# Altium PCB apt_battery_bms.PcbDoc (part 2 of 3)
Units mm, origin at the board's own origin, x right, y up, seen from the top; angles counter-clockwise.
Board outline 304.8 x 243.84 mm, 2 copper layers (Top Layer, Bottom Layer), stack 1.57 mm thick; 324 components, 194 nets, 1522 pads, 4 vias.
Unrouted connection lines stored in the file: 482.
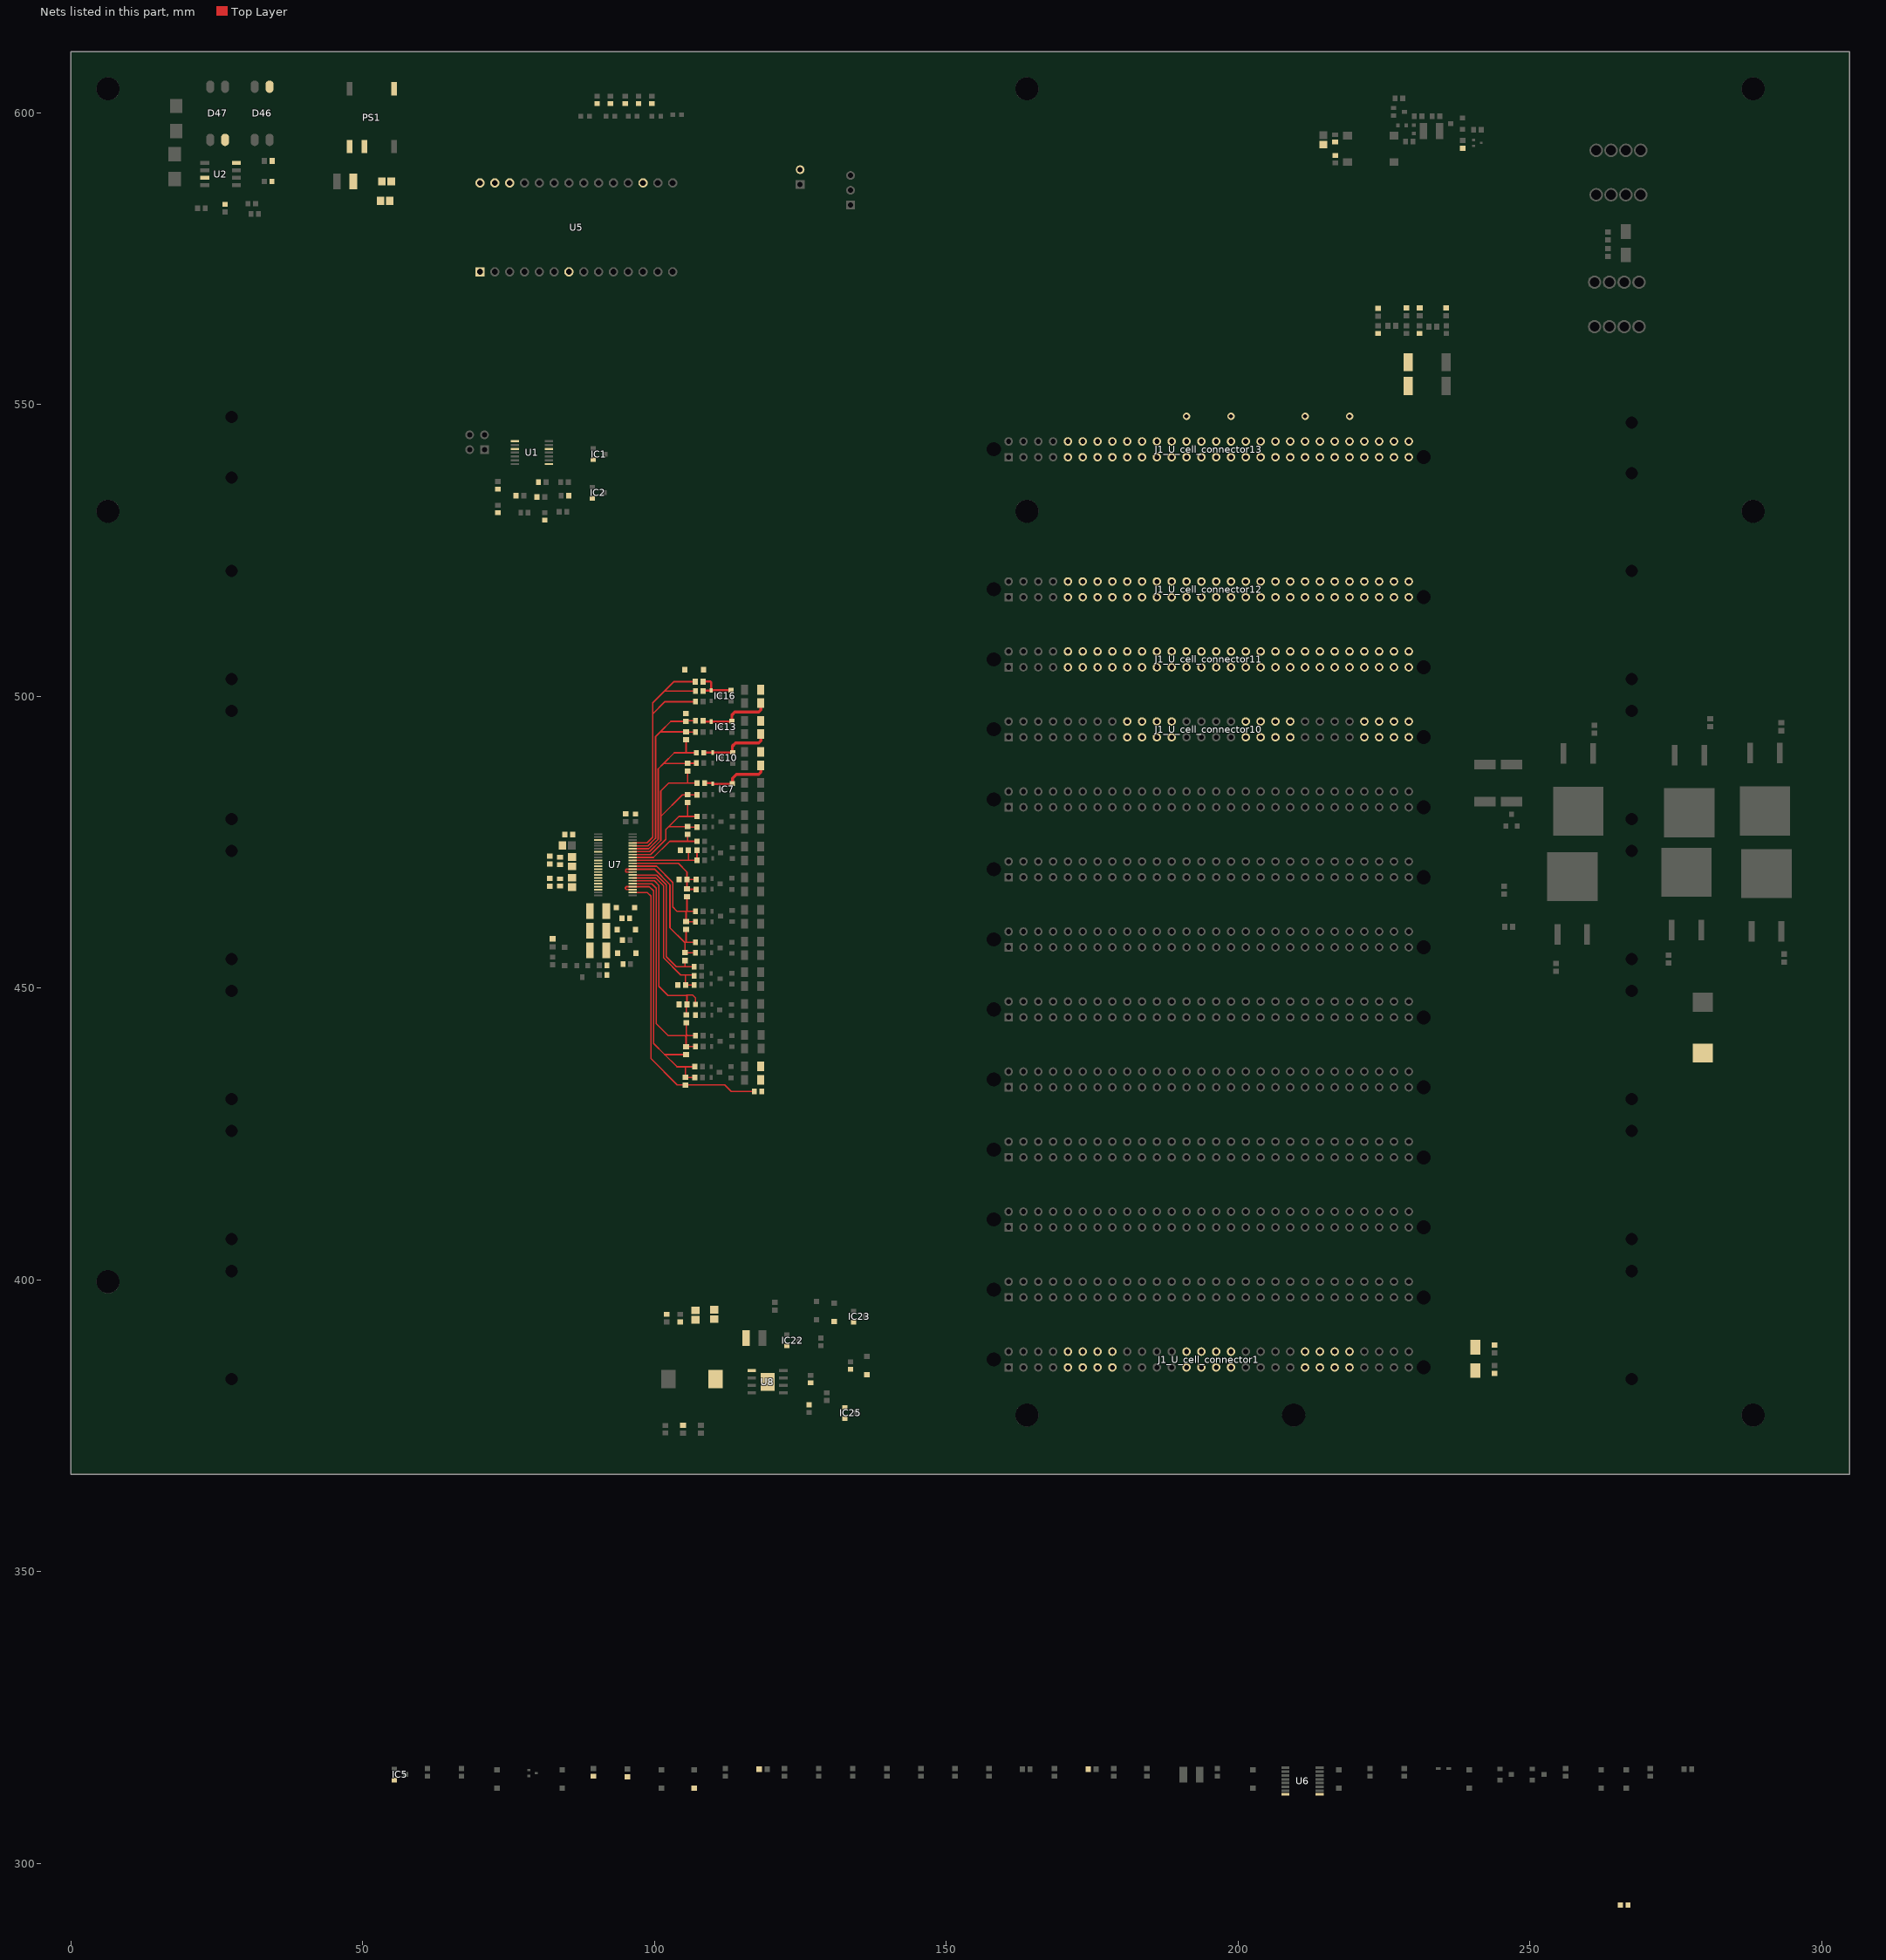
[diagram p2: the nets of this part, all layers, seen from the top]

## Part data (continued)
C10 C19: library part CC0603KRX7R9BB221, "CAP CER 220PF 50V X7R 0603", Device Package="0603 (1608 Metric)", Manufacturer=Yageo, Operating Temperature="-55°C ~ 125°C", Supplier Part Number 1=311-1077-1-ND, Temperature Coefficient=X7R, Tolerance=±10%, Voltage - Rated=50V, Applications="General Purpose", Capacitance=220pF, ComponentLink1Description=Datasheet, ComponentLink1URL=https://www.yageo.com/upload/media/product/productsearch/datasheet/mlcc/UPY-GPHC_X7R_6.3V-to-50V_18.pdf, ComponentLink2Description="DigiKey Link", ComponentLink2URL=http://digikey.com/product-detail/en/yageo/CC0603KRX7R9BB221/311-1077-1-ND/302987, LastUpdated="9/2/2020 1:03:05 AM", Lifecycle Status=Active, Minimum Order=1, Mounting Type="Surface Mount, MLCC", Package / Case="0603 (1608 Metric)", Packaging=TapeAndReel, PartId=16734, Part Number=CC0603KRX7R9BB221, Part Status=Active, Price=0.01, Series=CC, Size / Dimension="0.063\" L x 0.031\" W (1.60mm x 0.80mm)", Supplier 1=DigiKey, Thickness (Max)="0.035\" (0.90mm)"
C11 C13 C40: library part VJ0805Y472KXAAC, "CAP CER 4700PF 50V X7R 0805", Device Package="0805 (2012 Metric)", Manufacturer="Vishay Vitramon", Operating Temperature="-55°C ~ 125°C", Supplier Part Number 1=720-1393-1-ND, Temperature Coefficient=X7R, Tolerance=±10%, Voltage - Rated=50V, Applications="General Purpose", Capacitance=4700pF, ComponentLink1Description=Datasheet, ComponentLink1URL=http://www.vishay.com/docs/45199/vjcommercialseries.pdf, ComponentLink2Description="DigiKey Link", ComponentLink2URL=http://digikey.com/product-detail/en/vishay-vitramon/VJ0805Y472KXAAC/720-1393-1-ND/3986147, LastUpdated="9/2/2020 1:04:35 AM", Lifecycle Status=Active, Minimum Order=1, Mounting Type="Surface Mount, MLCC", Package / Case="0805 (2012 Metric)", Packaging=TapeAndReel, PartId=6525, Part Number=VJ0805Y472KXAAC, Part Status=Active, Price=0.06, Series=VJ, Size / Dimension="0.079\" L x 0.049\" W (2.00mm x 1.25mm)", Supplier 1=DigiKey, Thickness (Max)="0.057\" (1.45mm)"
C43: library part C1608C0G1H222J080AA, "CAP CER 2200PF 50V C0G 0603", Device Package="0603 (1608 Metric)", Manufacturer="TDK Corporation", Operating Temperature="-55°C ~ 125°C", Supplier Part Number 1=445-1297-1-ND, Temperature Coefficient="C0G, NP0", Tolerance=±5%, Voltage - Rated=50V, Applications="General Purpose", Capacitance=2200pF, ComponentLink1Description=Datasheet, ComponentLink1URL=https://product.tdk.com/info/en/catalog/datasheets/mlcc_commercial_general_en.pdf?ref_disty=digikey, ComponentLink2Description="DigiKey Link", ComponentLink2URL=http://digikey.com/product-detail/en/tdk-corporation/C1608C0G1H222J080AA/445-1297-1-ND/567684, Features="Low ESL", LastUpdated="9/2/2020 1:03:24 AM", Lifecycle Status=Active, Minimum Order=1, Mounting Type="Surface Mount, MLCC", Package / Case="0603 (1608 Metric)", Packaging=TapeAndReel, PartId=8679, Part Number=C1608C0G1H222J080AA, Part Status=Active, Price=0.03, Series=C, Size / Dimension="0.063\" L x 0.031\" W (1.60mm x 0.80mm)", Supplier 1=DigiKey, Thickness (Max)="0.035\" (0.90mm)"
C44: library part C3225X7S2A475K200AB, "CAP CER 4.7UF 100V X7S 1210", Device Package="1210 (3225 Metric)", Manufacturer="TDK Corporation", Operating Temperature="-55°C ~ 125°C", Supplier Part Number 1=445-6042-1-ND, Temperature Coefficient=X7S, Tolerance=±10%, Voltage - Rated=100V, Applications="General Purpose", Capacitance=4.7µF, ComponentLink1Description=Datasheet, ComponentLink1URL=https://product.tdk.com/info/en/catalog/datasheets/mlcc_commercial_midvoltage_en.pdf?ref_disty=digikey, ComponentLink2Description="DigiKey Link", ComponentLink2URL=http://digikey.com/product-detail/en/tdk-corporation/C3225X7S2A475K200AB/445-6042-1-ND/2444083, LastUpdated="9/2/2020 1:10:42 AM", Lifecycle Status=Active, Minimum Order=1, Mounting Type="Surface Mount, MLCC", Package / Case="1210 (3225 Metric)", Packaging=TapeAndReel, PartId=24496, Part Number=C3225X7S2A475K200AB, Part Status=Active, Price=0.50, Series=C, Size / Dimension="0.126\" L x 0.098\" W (3.20mm x 2.50mm)", Supplier 1=DigiKey, Thickness (Max)="0.087\" (2.20mm)"
C45: library part CGA3E2X7R1H332K080AA, "CAP CER 3300PF 50V X7R 0603", Device Package="0603 (1608 Metric)", Manufacturer="TDK Corporation", Operating Temperature="-55°C ~ 125°C", Ratings=AEC-Q200, Supplier Part Number 1=445-6921-1-ND, Temperature Coefficient=X7R, Tolerance=±10%, Voltage - Rated=50V, Applications=Automotive, Capacitance=3300pF, ComponentLink1Description=Datasheet, ComponentLink1URL=https://product.tdk.com/info/en/catalog/datasheets/mlcc_automotive_general_en.pdf?ref_disty=digikey, ComponentLink2Description="DigiKey Link", ComponentLink2URL=http://digikey.com/product-detail/en/tdk-corporation/CGA3E2X7R1H332K080AA/445-6921-1-ND/2672939, LastUpdated="9/2/2020 1:03:02 AM", Lifecycle Status=Active, Minimum Order=1, Mounting Type="Surface Mount, MLCC", Package / Case="0603 (1608 Metric)", Packaging=TapeAndReel, PartId=17741, Part Number=CGA3E2X7R1H332K080AA, Part Status=Active, Price=0.01, Series=CGA, Size / Dimension="0.063\" L x 0.031\" W (1.60mm x 0.80mm)", Supplier 1=DigiKey, Thickness (Max)="0.035\" (0.90mm)"
C48: library part CGA3E2C0G1H560J080AA, "CAP CER 56PF 50V C0G 0603", Device Package="0603 (1608 Metric)", Manufacturer="TDK Corporation", Operating Temperature="-55°C ~ 125°C", Ratings=AEC-Q200, Supplier Part Number 1=445-5637-1-ND, Temperature Coefficient="C0G, NP0", Tolerance=±5%, Voltage - Rated=50V, Applications=Automotive, Capacitance=56pF, ComponentLink1Description=Datasheet, ComponentLink1URL=https://product.tdk.com/info/en/catalog/datasheets/mlcc_automotive_general_en.pdf?ref_disty=digikey, ComponentLink2Description="DigiKey Link", ComponentLink2URL=http://digikey.com/product-detail/en/tdk-corporation/CGA3E2C0G1H560J080AA/445-5637-1-ND/2443677, LastUpdated="9/2/2020 1:03:10 AM", Lifecycle Status=Active, Minimum Order=1, Mounting Type="Surface Mount, MLCC", Package / Case="0603 (1608 Metric)", Packaging=TapeAndReel, PartId=15276, Part Number=CGA3E2C0G1H560J080AA, Part Status=Active, Price=0.03, Series=CGA, Size / Dimension="0.063\" L x 0.031\" W (1.60mm x 0.80mm)", Supplier 1=DigiKey, Thickness (Max)="0.035\" (0.90mm)"
D1 D2: library part 824521131, "TVS DIODE 13V 21.5V DO214AA", Current - Peak Pulse (10/1000µs)=28A, Manufacturer="Würth Elektronik", Operating Temperature="-65°C ~ 150°C (TJ)", Package / Case="DO-214AA, SMB", Power - Peak Pulse=600W, Power Line Protection=No, Supplier Device Package=DO-214AA, Supplier Part Number 1=732-9740-1-ND, Voltage - Breakdown (Min)="15.15V (Typ)", Voltage - Clamping (Max) @ Ipp=21.5V, Voltage - Reverse Standoff (Typ)="13V (Max)", Applications="General Purpose", Bidirectional Channels=1, ComponentLink1Description=Datasheet, ComponentLink1URL=https://katalog.we-online.de/pbs/datasheet/824521131.pdf, ComponentLink2Description="DigiKey Link", ComponentLink2URL=http://digikey.com/product-detail/en/w-rth-elektronik/824521131/732-9740-1-ND/5870894, LastUpdated="9/2/2020 1:28:20 AM", Lifecycle Status=Active, Minimum Order=1, Mounting Type="Surface Mount", Packaging=TapeAndReel, PartId=9447, Part Number=824521131, Part Status=Active, Price=0.24, Series=WE-TVSP, Supplier 1=DigiKey, Type=Zener
D3 D4 D5 D6 D7: library part 150060RS75000, "LED RED CLEAR 0603 SMD", Current - Test=20mA, Device Package="0603 (1608 Metric)", Lens Color=Colorless, Manufacturer="Würth Elektronik", Millicandela Rating=250mcd, Supplier Device Package=0603, Supplier Part Number 1=732-4978-1-ND, Voltage - Forward (Vf) (Typ)=2V, Color=Red, ComponentLink1Description=Datasheet, ComponentLink1URL=https://katalog.we-online.de/led/datasheet/150060RS75000.pdf, ComponentLink2Description="DigiKey Link", ComponentLink2URL=http://digikey.com/product-detail/en/w-rth-elektronik/150060RS75000/732-4978-1-ND/4489899, Configuration=Standard, Height (Max)=0.80mm, LastUpdated="9/2/2020 1:20:55 AM", Lens Size="1.10mm x 0.70mm", Lens Style="Rectangle with Flat Top", Lens Transparency=Clear, Lifecycle Status=Active, Minimum Order=1, Mounting Type="Surface Mount", Package / Case="0603 (1608 Metric)", Packaging=TapeAndReel, PartId=490, Part Number=150060RS75000, Part Status=Active, Price=0.10, Series=WL-SMCW, Size / Dimension="1.60mm L x 0.80mm W", Supplier 1=DigiKey, Viewing Angle=140°, Wavelength - Dominant=625nm, Wavelength - Peak=630nm
D8 D9 D10 D18: library part MMSZ5246B-7-F, "DIODE ZENER 16V 500MW SOD123", Current - Reverse Leakage @ Vr="100nA @ 12V", Manufacturer="Diodes Incorporated", Operating Temperature="-65°C ~ 150°C", Package / Case=SOD-123, Power - Max=500mW, Supplier Part Number 1=MMSZ5246B-FDICT-ND, Tolerance=±5%, Voltage - Forward (Vf) (Max) @ If="900mV @ 10mA", Voltage - Zener (Nom) (Vz)=16V, ComponentLink1Description=Datasheet, ComponentLink1URL=https://www.diodes.com/assets/Datasheets/ds18010.pdf, ComponentLink2Description="DigiKey Link", ComponentLink2URL=http://digikey.com/product-detail/en/diodes-incorporated/MMSZ5246B-7-F/MMSZ5246B-FDICT-ND/717912, Impedance (Max) (Zzt)="17 Ohms", LastUpdated="9/2/2020 1:19:27 AM", Lifecycle Status=Active, Minimum Order=1, Mounting Type="Surface Mount", Packaging=TapeAndReel, PartId=1896, Part Number=MMSZ5246B-7-F, Part Status=Active, Price=0.04, Series=-, Supplier 1=DigiKey, Supplier Device Package=SOD-123
D11 D21 D22 D23 D24 D25 D26 D27 D29 D30 D31 D33 D34 D35: library part MM5Z5V6ST1G, "DIODE ZENER 5.61V 500MW SOD523", Current - Reverse Leakage @ Vr="1µA @ 2V", Manufacturer="ON Semiconductor", Operating Temperature="-65°C ~ 150°C", Package / Case="SC-79, SOD-523", Power - Max=500mW, Supplier Device Package=SOD-523, Supplier Part Number 1=MM5Z5V6ST1GOSCT-ND, Tolerance=±2%, Voltage - Forward (Vf) (Max) @ If="900mV @ 10mA", Voltage - Zener (Nom) (Vz)=5.61V, ComponentLink1Description=Datasheet, ComponentLink1URL=https://www.onsemi.com/pub/Collateral/MM5Z2V4ST1-D.PDF, ComponentLink2Description="DigiKey Link", ComponentLink2URL=http://digikey.com/product-detail/en/on-semiconductor/MM5Z5V6ST1G/MM5Z5V6ST1GOSCT-ND/964551, Impedance (Max) (Zzt)="40 Ohms", LastUpdated="9/2/2020 1:19:35 AM", Lifecycle Status=Active, Minimum Order=1, Mounting Type="Surface Mount", Packaging=TapeAndReel, PartId=3287, Part Number=MM5Z5V6ST1G, Part Status=Active, Price=0.05, Series="Automotive, AEC-Q101", Supplier 1=DigiKey
D12 D19 D20 D28 D32: library part 1N4148W-7-F, "DIODE GEN PURP 100V 300MA SOD123", Current - Average Rectified (Io)="300mA (DC)", Current - Reverse Leakage @ Vr="1µA @ 75V", Manufacturer="Diodes Incorporated", Operating Temperature - Junction="-65°C ~ 150°C", Package / Case=SOD-123, Supplier Part Number 1=1N4148W-FDICT-ND, Voltage - DC Reverse (Vr) (Max)=100V, Voltage - Forward (Vf) (Max) @ If="1.25V @ 150mA", ComponentLink1Description=Datasheet, ComponentLink1URL=https://www.diodes.com/assets/Datasheets/ds30086.pdf, ComponentLink2Description="DigiKey Link", ComponentLink2URL=http://digikey.com/product-detail/en/diodes-incorporated/1N4148W-7-F/1N4148W-FDICT-ND/815280, Diode Type=Standard, LastUpdated="9/2/2020 1:19:08 AM", Lifecycle Status=Active, Minimum Order=1, Mounting Type="Surface Mount", Packaging=TapeAndReel, PartId=1002, Part Number=1N4148W-7-F, Part Status=Active, Price=0.03, Reverse Recovery Time (trr)=4ns, Series=-, Speed="Small Signal =< 200mA (Io), Any Speed", Supplier 1=DigiKey, Supplier Device Package=SOD-123
D13 D15 D16: library part BAT46W-7-F, "DIODE SCHOTTKY 100V 150MA SOD123", Current - Average Rectified (Io)="150mA (DC)", Current - Reverse Leakage @ Vr="2µA @ 75V", Manufacturer="Diodes Incorporated", Operating Temperature - Junction="-55°C ~ 125°C", Package / Case=SOD-123, Supplier Part Number 1=BAT46W-7FDICT-ND, Voltage - DC Reverse (Vr) (Max)=100V, Voltage - Forward (Vf) (Max) @ If="450mV @ 10mA", ComponentLink1Description=Datasheet, ComponentLink1URL=https://www.diodes.com/assets/Datasheets/ds30044.pdf, ComponentLink2Description="DigiKey Link", ComponentLink2URL=http://digikey.com/product-detail/en/diodes-incorporated/BAT46W-7-F/BAT46W-7FDICT-ND/2181054, Diode Type=Schottky, LastUpdated="9/2/2020 1:19:08 AM", Lifecycle Status=Active, Minimum Order=1, Mounting Type="Surface Mount", Packaging=TapeAndReel, PartId=2210, Part Number=BAT46W-7-F, Part Status=Active, Price=0.07, Series="Automotive, AEC-Q101", Speed="Small Signal =< 200mA (Io), Any Speed", Supplier 1=DigiKey, Supplier Device Package=SOD-123
D14 D37: library part MMSZ5229BT1G, "DIODE ZENER 4.3V 500MW SOD123", Current - Reverse Leakage @ Vr="5µA @ 1V", Manufacturer="ON Semiconductor", Operating Temperature="-55°C ~ 150°C", Package / Case=SOD-123, Power - Max=500mW, Supplier Part Number 1=MMSZ5229BT1GOSCT-ND, Tolerance=±5%, Voltage - Forward (Vf) (Max) @ If="900mV @ 10mA", Voltage - Zener (Nom) (Vz)=4.3V, ComponentLink1Description=Datasheet, ComponentLink1URL=http://www.onsemi.com/pub/Collateral/MMSZ5221BT1-D.PDF, ComponentLink2Description="DigiKey Link", ComponentLink2URL=http://digikey.com/product-detail/en/on-semiconductor/MMSZ5229BT1G/MMSZ5229BT1GOSCT-ND/1139889, Impedance (Max) (Zzt)="22 Ohms", LastUpdated="9/2/2020 1:19:25 AM", Lifecycle Status=Active, Minimum Order=1, Mounting Type="Surface Mount", Packaging=TapeAndReel, PartId=2271, Part Number=MMSZ5229BT1G, Part Status=Active, Price=0.04, Series=-, Supplier 1=DigiKey, Supplier Device Package=SOD-123
D17 D36: library part MMBZ5248BT-7-F, "DIODE ZENER 18V 150MW SOT523", Current - Reverse Leakage @ Vr="100nA @ 14V", Manufacturer="Diodes Incorporated", Operating Temperature="-65°C ~ 150°C", Package / Case=SOT-523, Power - Max=150mW, Supplier Part Number 1=MMBZ5248BT-7-FDICT-ND, Tolerance=±5%, Voltage - Forward (Vf) (Max) @ If="900mV @ 10mA", Voltage - Zener (Nom) (Vz)=18V, ComponentLink1Description=Datasheet, ComponentLink1URL=https://www.diodes.com/assets/Datasheets/ds30267.pdf, ComponentLink2Description="DigiKey Link", ComponentLink2URL=http://digikey.com/product-detail/en/diodes-incorporated/MMBZ5248BT-7-F/MMBZ5248BT-7-FDICT-ND/5218419, Impedance (Max) (Zzt)="21 Ohms", LastUpdated="9/2/2020 1:21:31 AM", Lifecycle Status=Active, Minimum Order=1, Mounting Type="Surface Mount", Packaging=CutTape, PartId=789, Part Number=MMBZ5248BT-7-F, Part Status=Active, Price=0.39, Series=-, Supplier 1=DigiKey, Supplier Device Package=SOT-523
D38 D39: library part SBR0220T5-7, "DIODE SBR 20V 200MA SOD523", Current - Average Rectified (Io)=200mA, Current - Reverse Leakage @ Vr="40µA @ 20V", Manufacturer="Diodes Incorporated", Operating Temperature - Junction="-65°C ~ 150°C", Package / Case="SC-79, SOD-523", Supplier Device Package=SOD-523, Supplier Part Number 1=SBR0220T5-7DICT-ND, Voltage - DC Reverse (Vr) (Max)=20V, Voltage - Forward (Vf) (Max) @ If="470mV @ 200mA", ComponentLink1Description=Datasheet, ComponentLink1URL=https://www.diodes.com/assets/Datasheets/SBR0220T5.pdf, ComponentLink2Description="DigiKey Link", ComponentLink2URL=http://digikey.com/product-detail/en/diodes-incorporated/SBR0220T5-7/SBR0220T5-7DICT-ND/2181113, Diode Type="Super Barrier", LastUpdated="9/2/2020 1:23:20 AM", Lifecycle Status=Active, Minimum Order=1, Mounting Type="Surface Mount", Packaging=TapeAndReel, PartId=2765, Part Number=SBR0220T5-7, Part Status=Active, Price=0.09, Series=SBR®, Speed="Small Signal =< 200mA (Io), Any Speed", Supplier 1=DigiKey
D40: library part MMBZ5226BW-7-F, "DIODE ZENER 3.3V 200MW SOT323", Current - Reverse Leakage @ Vr="25µA @ 1V", Manufacturer="Diodes Incorporated", Operating Temperature="-65°C ~ 150°C", Package / Case="SC-70, SOT-323", Power - Max=200mW, Supplier Device Package=SOT-323, Supplier Part Number 1=MMBZ5226BW-FDICT-ND, Tolerance=±5%, Voltage - Forward (Vf) (Max) @ If="900mV @ 10mA", Voltage - Zener (Nom) (Vz)=3.3V, ComponentLink1Description=Datasheet, ComponentLink1URL=https://www.diodes.com/assets/Datasheets/ds31037.pdf, ComponentLink2Description="DigiKey Link", ComponentLink2URL=http://digikey.com/product-detail/en/diodes-incorporated/MMBZ5226BW-7-F/MMBZ5226BW-FDICT-ND/815754, Impedance (Max) (Zzt)="28 Ohms", LastUpdated="9/2/2020 1:21:30 AM", Lifecycle Status=Active, Minimum Order=1, Mounting Type="Surface Mount", Packaging=CutTape, PartId=834, Part Number=MMBZ5226BW-7-F, Part Status=Active, Price=0.34, Series=-, Supplier 1=DigiKey
D41: "DIODE ZENER 16V 500MW SOD123", Current - Reverse Leakage @ Vr="100nA @ 12V", Manufacturer="Diodes Incorporated", Operating Temperature="-65°C ~ 150°C", Package / Case=SOD-123, Power - Max=500mW, Supplier Part Number 1=MMSZ5246B-FDICT-ND, Tolerance=±5%, Voltage - Forward (Vf) (Max) @ If="900mV @ 10mA", Voltage - Zener (Nom) (Vz)=16V, ComponentLink1Description=Datasheet, ComponentLink1URL=https://www.diodes.com/assets/Datasheets/ds18010.pdf, ComponentLink2Description="DigiKey Link", ComponentLink2URL=http://digikey.com/product-detail/en/diodes-incorporated/MMSZ5246B-7-F/MMSZ5246B-FDICT-ND/717912, Impedance (Max) (Zzt)="17 Ohms", LastUpdated="9/2/2020 1:19:27 AM", Lifecycle Status=Active, Minimum Order=1, Mounting Type="Surface Mount", Packaging=TapeAndReel, PartId=1896, Part Number=MMSZ5246B-7-F, Part Status=Active, Price=0.04, Series=-, Supplier 1=DigiKey, Supplier Device Package=SOD-123
D42 D43: "DIODE SCHOTTKY 20V 500MA SOD123", Current - Average Rectified (Io)=500mA, Current - Reverse Leakage @ Vr="250µA @ 20V", Manufacturer="ON Semiconductor", Operating Temperature - Junction="-65°C ~ 125°C", Package / Case=SOD-123, Supplier Part Number 1=MBR0520LT1GOSCT-ND, Voltage - DC Reverse (Vr) (Max)=20V, Voltage - Forward (Vf) (Max) @ If="385mV @ 500mA", ComponentLink1Description=Datasheet, ComponentLink1URL=http://www.onsemi.com/pub/Collateral/MBR0520LT1-D.PDF, ComponentLink2Description="DigiKey Link", ComponentLink2URL=http://digikey.com/product-detail/en/on-semiconductor/MBR0520LT1G/MBR0520LT1GOSCT-ND/917965, Diode Type=Schottky, LastUpdated="9/2/2020 1:19:08 AM", Lifecycle Status=Active, Minimum Order=1, Mounting Type="Surface Mount", Packaging=TapeAndReel, PartId=2222, Part Number=MBR0520LT1G, Part Status=Active, Price=0.05, Series=-, Speed="Fast Recovery =< 500ns, > 200mA (Io)", Supplier 1=DigiKey, Supplier Device Package=SOD-123
D44 D45: "TVS DIODE 60V 96.8V SMA", Current - Peak Pulse (10/1000µs)=4.1A, Manufacturer="Diodes Incorporated", Operating Temperature="-55°C ~ 150°C (TJ)", Package / Case="DO-214AC, SMA", Power - Peak Pulse=400W, Power Line Protection=No, Supplier Device Package=SMA, Supplier Part Number 1=SMAJ60A-FDICT-ND, Voltage - Breakdown (Min)=66.7V, Voltage - Clamping (Max) @ Ipp=96.8V, Voltage - Reverse Standoff (Typ)=60V, Applications="General Purpose", ComponentLink1Description=Datasheet, ComponentLink1URL=https://www.diodes.com/assets/Datasheets/ds19005.pdf, ComponentLink2Description="DigiKey Link", ComponentLink2URL=http://digikey.com/product-detail/en/diodes-incorporated/SMAJ60A-13-F/SMAJ60A-FDICT-ND/775872, LastUpdated="9/2/2020 1:20:16 AM", Lifecycle Status=Active, Minimum Order=1, Mounting Type="Surface Mount", Packaging=TapeAndReel, PartId=5958, Part Number=SMAJ60A-13-F, Part Status=Active, Price=0.08, Series=-, Supplier 1=DigiKey, Type=Zener, Unidirectional Channels=1
D46 D47: library part LTV-817S-TA1, "OPTOISOLATR 5KV TRANSISTOR 4-SMD", Part Number=LTV-817S-TA1
F1: "AC DC Fuse Board Mount (Cartridge Style Excluded) Surface Mount 2-SMD, Square End Block", Case/Package=SMD/SMT, Current Rating=30A, DC Cold Resistance=1.32mR, Manufacturer=Littelfuse, Max Operating Temperature=125°C, Min Operating Temperature=-55°C, Package Quantity=2500, Supplier Part Number 1=F3345CT-ND, Voltage Rating=125V, Voltage Rating (DC)=72V, Approvals=cULus,PSE, Body Material=Ceramic, Built_By=EMA_UL_Team, ComponentLink1Description=http://www.farnell.com/datasheets/1851809.pdf?src-supplier=Element14, ComponentLink1URL=http://www.farnell.com/datasheets/1851809.pdf?src-supplier=Element14, ComponentLink2Description=http://www.littelfuse.com/~/media/electronics/datasheets/fuses/littelfuse_fuse_456_datasheet.pdf.pdf?src-supplier=Digi-Key, ComponentLink2URL=http://www.littelfuse.com/~/media/electronics/datasheets/fuses/littelfuse_fuse_456_datasheet.pdf.pdf?src-supplier=Digi-Key, ComponentLink3Description=http://uk.rs-online.com/webdocs/1185/0900766b81185b84.pdf?src-supplier=RSComponents, ComponentLink3URL=http://uk.rs-online.com/webdocs/1185/0900766b81185b84.pdf?src-supplier=RSComponents, ComponentLink4Description=http://www.littelfuse.com/data/en/Data_Sheets/Littelfuse_Fuse_456.pdf?src-supplier=Future+Electronics, ComponentLink4URL=http://www.littelfuse.com/data/en/Data_Sheets/Littelfuse_Fuse_456.pdf?src-supplier=Future+Electronics, ComponentLink5Description=http://www.farnell.com/datasheets/1851809.pdf?src-supplier=Newark, ComponentLink5URL=http://www.farnell.com/datasheets/1851809.pdf?src-supplier=Newark, ComponentLink6Description=https://www.verical.com/server-webapp/html/getDatasheet?partID=306944&src-supplier=Verical, ComponentLink6URL=https://www.verical.com/server-webapp/html/getDatasheet?partID=306944&src-supplier=Verical, Copyright="Copyright (C) 2018 Accelerated Designs. All rights reserved", Depth=3.12mm, Fuse Current=30A, Fuse Type="Board Mount (Cartridge Style Excluded)", Height=0.123inch, Housing Material=Ceramic, Lead Free="Lead Free", Length=10.1mm, Manufacturer_Part_Number=0456030.ER, Manufacturer Part Number=0456030.ER, Mount="Surface Mount", Number of Pins=2, Packaging="Tape and Reel", Pricing 1="1=4.23, 5=4.092, 10=3.951, 50=3.104, 100=2.5396, 250=2.46908, 500=2.11636, 1000=1.97526 (USD)", Radiation Hardening=No, REACH SVHC="No SVHC", RefDes=RefDes, Resistance=1.32mR, SourceLibrary=Littelfuse_2002-01-01_FUSE_0400, Stock 1=4934, Supplier 1=Digi-Key, Termination=SMD/SMT, Type=DEV, Vendor="Littelfuse Inc", Voltage Rating (AC)=125V, Width=4.445mm, Working Voltage=125V
FB1 FB2 FB3 FB4 FB5 FB6: library part 74279265, "FERRITE BEAD 600 OHM 0603 1LN", Current Rating (Max)=200mA, DC Resistance (DCR) (Max)=450mOhm, Device Package="0603 (1608 Metric)", Manufacturer="Würth Elektronik", Operating Temperature="-55°C ~ 125°C", Supplier Part Number 1=732-1583-1-ND, ComponentLink1Description=Datasheet, ComponentLink1URL=https://katalog.we-online.de/pbs/datasheet/74279265.pdf, ComponentLink2Description="DigiKey Link", ComponentLink2URL=http://digikey.com/product-detail/en/w-rth-elektronik/74279265/732-1583-1-ND/1639527, Filter Type="Signal Line", Height (Max)="0.039\" (1.00mm)", Impedance @ Frequency="600 Ohms @ 100MHz", LastUpdated="9/2/2020 1:18:17 AM", Lifecycle Status=Active, Minimum Order=1, Mounting Type="Surface Mount", Number of Lines=1, Package / Case="0603 (1608 Metric)", Packaging=TapeAndReel, PartId=1100, Part Number=74279265, Part Status=Active, Price=0.10, Series=WE-CBF, Size / Dimension="0.063\" L x 0.032\" W (1.60mm x 0.80mm)", Supplier 1=DigiKey
IC1 IC5 IC20: library part BSS123, "MOSFET N-CH 100V 170MA SOT-23", Current - Continuous Drain (Id) @ 25°C="170mA (Ta)", Drain to Source Voltage (Vdss)=100V, Drive Voltage (Max Rds On,  Min Rds On)="4.5V, 10V", Input Capacitance (Ciss) (Max) @ Vds="73pF @ 25V", Manufacturer="ON Semiconductor", Operating Temperature="-55°C ~ 150°C (TJ)", Package / Case="TO-236-3, SC-59, SOT-23-3", Power Dissipation (Max)="360mW (Ta)", Supplier Device Package=SOT-23-3, Supplier Part Number 1=BSS123NCT-ND, ComponentLink1Description=Datasheet, ComponentLink1URL=https://www.onsemi.com/pub/Collateral/BSS123-D.PDF, ComponentLink2Description="DigiKey Link", ComponentLink2URL=http://digikey.com/product-detail/en/on-semiconductor/BSS123/BSS123NCT-ND/244665, FET Type=N-Channel, Gate Charge (Qg) (Max) @ Vgs="2.5nC @ 10V", LastUpdated="9/2/2020 1:25:08 AM", Lifecycle Status=Active, Minimum Order=1, Mounting Type="Surface Mount", Packaging=TapeAndReel, Part Number=BSS123, Part Status=Active, Price=0.06, Rds On (Max) @ Id, Vgs="6Ohm @ 170mA, 10V", Series=-, Supplier 1=DigiKey, Technology="MOSFET (Metal Oxide)", Vgs (Max)=±20V, Vgs(th) (Max) @ Id="2V @ 1mA"